# KiCad board KeyBoard.kicad_pcb (continued)
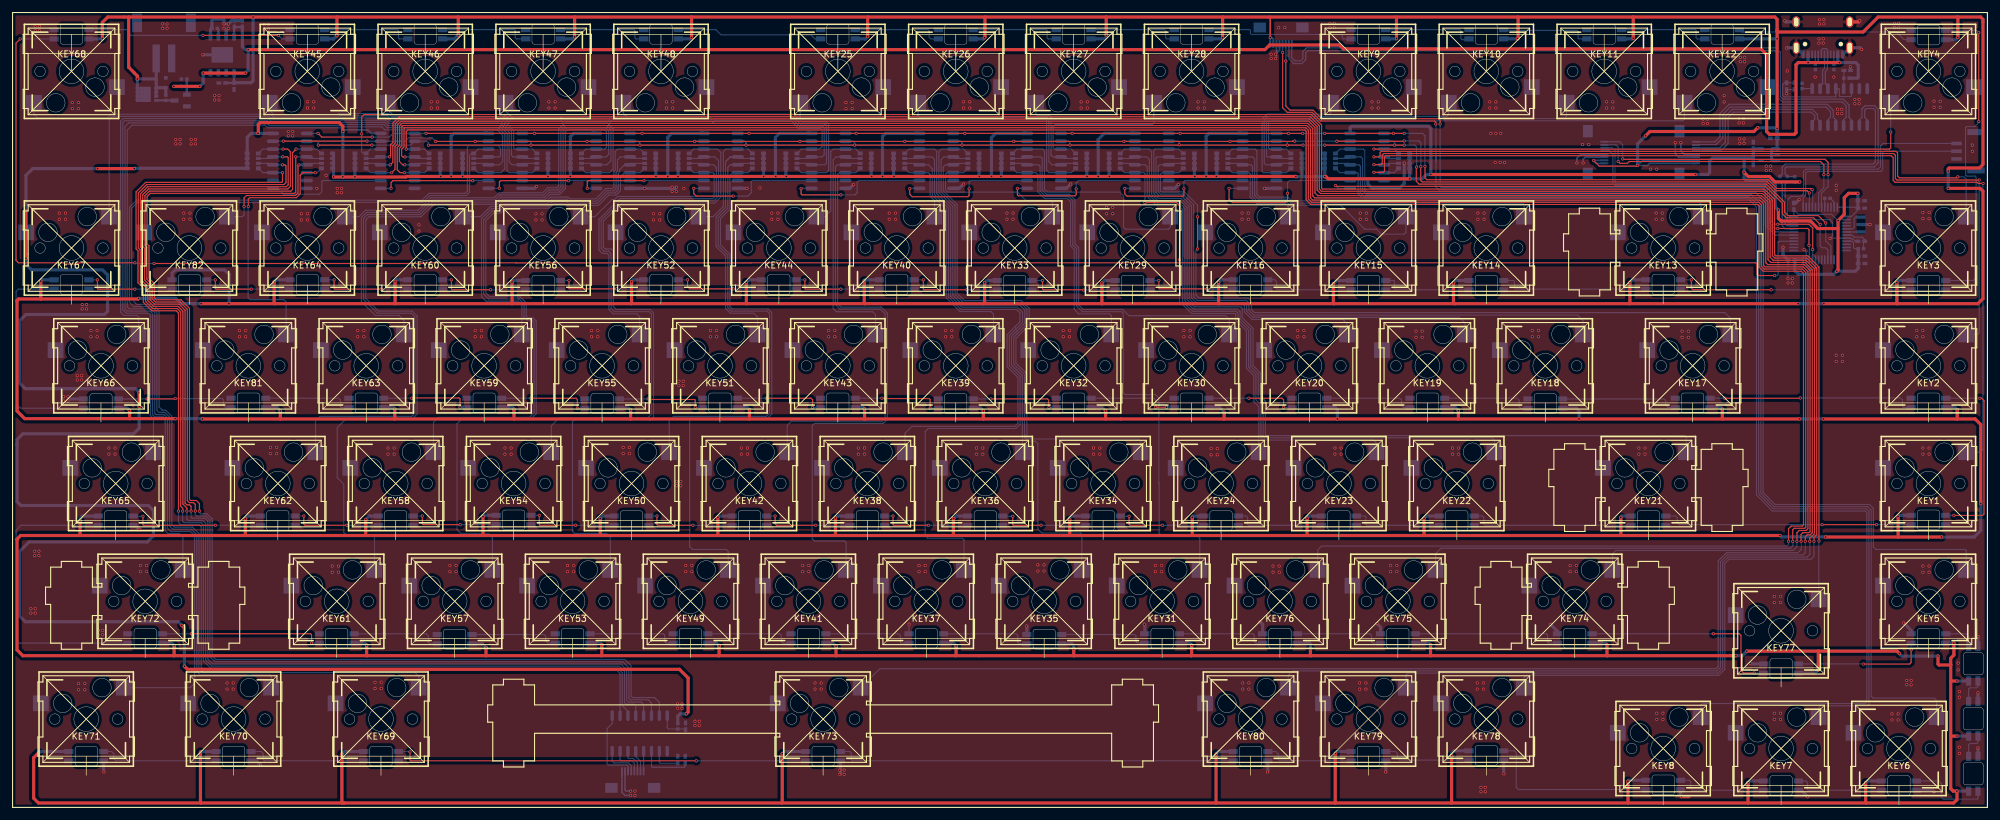
[diagram p0: board, top side]
## Routing (per net, layer and track width the routed paths; a pad name or vN(x,y) marks a point on that pad's centre or on a via; arc(x,y) is an arc through that point) (continued)
Net-(LED20-DOUT): length 14.9
  Top w0.178: v1(166.44,85.28) 166.44,83.93 166.59,83.78 173.09,83.78 173.12,83.75 v1(173.12,83.73)
  Bottom w0.178: v1(173.12,83.73) 173.17,83.78 LED20.2 ; v1(166.44,85.28) LED21.4
Net-(LED21-DOUT): length 15
  Top w0.178: v1(154.21,83.78) 147.29,83.78 147.19,83.88 v1(147.19,85.38)
  Bottom w0.178: LED21.2 v1(154.21,83.78) ; v1(147.19,85.38) 145.72,85.38 LED22.4
Net-(LED22-DOUT): length 14.9
  Top w0.178: v1(128.04,85.38) 128.04,83.98 128.14,83.88 v1(133.86,83.88)
  Bottom w0.178: LED22.2 133.87,83.89 v1(133.86,83.88) ; LED23.4 126.66,85.38 v1(128.04,85.38)
Net-(LED23-DOUT): length 14.7
  Top w0.178: v1(109.09,85.38) 109.09,84.28 109.44,83.93 v1(116.46,83.93)
  Bottom w0.178: LED24.4 109.07,85.39 v1(109.09,85.38) ; v1(116.46,83.93) 116.49,83.9 116.49,83.89 LED23.2
Net-(LED25-DOUT): length 15
  Top w0.178: v1(70.94,85.38) 70.94,83.88 71.04,83.78 v1(77.27,83.78)
  Bottom w0.178: LED26.4 70.92,85.39 v1(70.94,85.38) ; LED25.2 v1(77.27,83.78)
Net-(LED26-DOUT): length 14.9
  Top w0.178: v1(59.57,83.88) 52.14,83.88 51.99,84.03 v1(51.99,85.38)
  Bottom w0.178: v1(59.57,83.88) 59.59,83.89 LED26.2 ; LED27.4 50.47,85.38 v1(51.99,85.38)
Net-(LED27-DOUT): length 14.9
  Top w0.178: v1(32.79,85.38) 32.79,83.98 32.89,83.88 v1(38.61,83.88)
  Bottom w0.178: v1(38.61,83.88) 38.62,83.89 LED27.2 ; LED28.4 31.42,85.38 v1(32.79,85.38)
Net-(LED28-DOUT): length 14.9
  Top w0.178: v1(13.74,85.38) 13.74,83.98 13.84,83.88 v1(19.78,83.88)
  Bottom w0.178: LED29.4 13.72,85.39 v1(13.74,85.38) ; v1(19.78,83.88) 19.8,83.89 LED28.2
Net-(LED29-DOUT): length 35.7
  Bottom w0.178: LED29.2 1,83.89 0.59,83.48 0.59,65.38 1.35,64.61 LED30.4
Net-(LED30-DOUT): length 19.4
  Top w0.178: v1(26.32,66.18) 26.27,66.13 v1(21.77,66.13)
  Bottom w0.178: v1(21.77,66.13) 21.76,66.11 LED30.2 ; LED31.4 34.44,64.73 34.09,65.08 34.09,66.03 33.94,66.18 v1(26.32,66.18)
Net-(LED31-DOUT): length 14.7
  Bottom w0.178: LED32.4 53.14,64.73 52.99,64.88 52.99,65.98 52.74,66.23 LED31.2
Net-(LED32-DOUT): length 14.9
  Top w0.178: v1(64.52,66.23) 64.94,66.23 64.99,66.28 72.19,66.28 72.34,66.13 v1(72.34,64.78)
  Bottom w0.178: LED33.4 73.38,64.78 v1(72.34,64.78) ; LED32.2 v1(64.52,66.23)
Net-(LED33-DOUT): length 14.9
  Top w0.178: v1(91.29,64.63) 91.29,66.03 91.09,66.23 v1(83.77,66.23)
  Bottom w0.178: LED34.4 92.46,64.63 v1(91.29,64.63) ; LED33.2 v1(83.77,66.23)
Net-(LED34-DOUT): length 14.7
  Top w0.178: v1(110.34,64.73) 110.34,65.93 110.24,66.03 102.82,66.03 v1(102.72,66.13)
  Bottom w0.178: LED35.4 v1(110.34,64.73) ; v1(102.72,66.13) 102.71,66.11 LED34.2
Net-(LED35-DOUT): length 14.8
  Top w0.178: v1(121.82,66.23) 129.04,66.23 129.29,65.98 v1(129.29,64.73)
  Bottom w0.178: LED35.2 v1(121.82,66.23) ; v1(129.29,64.73) LED36.4
Net-(LED37-DOUT): length 14.7
  Top w0.178: v1(158.09,66.11) 158.1,66.13 167.24,66.13 167.44,65.93 167.44,64.78 v1(167.49,64.73)
  Bottom w0.178: v1(167.49,64.73) LED38.4 ; v1(158.09,66.11) LED37.2
Net-(LED38-DOUT): length 14.8
  Top w0.178: v1(184.72,64.78) v1(186.49,64.78)
  Bottom w0.178: v1(184.72,64.78) 184.72,65.94 184.44,66.23 LED38.2 ; v1(186.49,64.78) 187.68,64.78 LED39.4
Net-(LED39-DOUT): length 15.1
  Top w0.178: v1(199.79,66.23) 205.14,66.23 205.39,65.98 v1(205.39,64.73)
  Bottom w0.178: 192.99,66.23 v1(199.79,66.23) ; v1(205.39,64.73) LED40.4
Net-(LED40-DOUT): length 14.6
  Bottom w0.178: LED41.4 224.79,64.73 224.44,65.08 224.44,65.98 224.19,66.23 LED40.2
Net-(LED41-DOUT): length 14.7
  Bottom w0.178: LED41.2 243.14,66.23 243.44,65.93 243.44,64.88 243.7,64.61 LED42.4
Net-(LED42-DOUT): length 19.2
  Bottom w0.178: LED42.2 266.85,66.11 267.14,65.83 267.14,65.13 267.54,64.73 LED43.4
Net-(LED43-DOUT): length 33.8
  Top w0.178: v1(288.88,66.28) 288.83,66.23 v1(276.69,66.23)
  Bottom w0.178: v1(288.88,66.28) 305.09,66.28 305.39,65.98 305.39,64.93 305.59,64.73 LED44.4 ; v1(276.69,66.23) LED43.2
Net-(LED44-DOUT): length 31
  Top w0.178: v1(313.69,47.28) 318.34,47.28 318.56,47.5 318.56,65.85 318.19,66.23 v1(317.88,66.23)
  Bottom w0.178: LED44.2 v1(317.88,66.23) ; v1(313.69,47.28) 312.4,47.28 LED45.4
Net-(LED45-DOUT): length 40.7
  Top w0.178: v1(301.21,45.78) v1(292.41,45.78)
  Bottom w0.178: v1(292.41,45.78) 269.34,45.78 268.99,46.13 268.99,46.93 268.74,47.18 LED46.4 ; LED45.2 301.22,45.79 v1(301.21,45.78)
Net-(LED46-DOUT): length 26.6
  Bottom w0.178: LED46.2 237.94,45.68 237.74,45.88 237.74,46.98 237.54,47.18 LED47.4
Net-(LED47-DOUT): length 14.7
  Bottom w0.178: LED47.2 218.89,45.68 218.69,45.88 218.69,47.03 218.54,47.18 LED48.4
Net-(LED49-DOUT): length 14.8
  Top w0.178: v1(180.44,47.13) 180.44,45.83 180.59,45.68 v1(185.81,45.68)
  Bottom w0.178: LED50.4 179.09,47.13 v1(180.44,47.13) ; LED49.2 v1(185.81,45.68)
Net-(LED50-DOUT): length 14.9
  Top w0.178: v1(166.21,45.68) 161.74,45.68 161.64,45.78 v1(161.64,47.13)
  Bottom w0.178: LED51.4 160.04,47.13 v1(161.64,47.13) ; LED50.2 v1(166.21,45.68)
Net-(LED51-DOUT): length 14.9
  Top w0.178: v1(148.01,45.68) 142.39,45.68 142.29,45.78 v1(142.29,47.18)
  Bottom w0.178: LED51.2 v1(148.01,45.68) ; LED52.4 v1(142.29,47.18)
Net-(LED52-DOUT): length 14.8
  Top w0.178: v1(129.79,45.68) 123.49,45.68 123.24,45.93 v1(123.24,47.18)
  Bottom w0.178: LED52.2 v1(129.79,45.68) ; LED53.4 v1(123.24,47.18)
Net-(LED53-DOUT): length 14.9
  Top w0.178: v1(109.96,45.68) 104.29,45.68 104.14,45.83 v1(104.14,47.18)
  Bottom w0.178: LED54.4 v1(104.14,47.18) ; LED53.2 v1(109.96,45.68)
Net-(LED54-DOUT): length 15
  Top w0.178: v1(85.14,47.28) 85.14,45.78 85.24,45.68 v1(91.01,45.68)
  Bottom w0.178: LED54.2 v1(91.01,45.68) ; LED55.4 85.12,47.29 v1(85.14,47.28)
Net-(LED55-DOUT): length 14.8
  Top w0.178: v1(66.24,47.18) 66.24,45.93 66.39,45.78 v1(72.36,45.78)
  Bottom w0.178: LED56.4 v1(66.24,47.18) ; LED55.2 72.37,45.79 v1(72.36,45.78)
Net-(LED56-DOUT): length 14.8
  Top w0.178: v1(54.06,45.68) 47.29,45.68 47.09,45.88 v1(47.09,47.18)
  Bottom w0.178: LED56.2 v1(54.06,45.68) ; LED57.4 v1(47.09,47.18)
Net-(LED57-DOUT): length 22
  Top w0.178: v1(32.8,45.68) 21.19,45.68 21.09,45.78 v1(21.09,47.13)
  Bottom w0.178: LED57.2 39.75,45.68 v1(32.8,45.68) ; LED58.4 19.54,47.13 v1(21.09,47.13)
Net-(LED58-DOUT): length 49.7
  Bottom w0.178: LED58.2 1.39,45.68 0.59,44.88 0.59,27.13 1.14,26.58 1.29,26.58 1.34,26.63 LED59.4
Net-(LED59-DOUT): length 26.8
  Top w0.178: v1(28.92,28.13) 48.19,28.13 48.34,27.98 v1(48.34,26.63)
  Bottom w0.178: LED60.4 v1(48.34,26.63) ; LED59.2 28.92,28.13 v1(28.92,28.13)
Net-(LED61-DOUT): length 14.5
  Bottom w0.178: LED61.2 85.9,28.01 86.19,27.73 86.19,26.98 86.54,26.63 LED62.4
Net-(LED62-DOUT): length 14.7
  Bottom w0.178: LED62.2 105.19,28.13 105.39,27.93 105.39,26.88 105.64,26.63 LED63.4
Net-(LED63-DOUT): length 14.6
  Bottom w0.178: LED64.4 124.54,26.63 124.24,26.93 124.24,27.88 123.99,28.13 LED63.2
Net-(LED64-DOUT): length 14.7
  Bottom w0.178: LED65.4 143.59,26.63 143.49,26.73 143.49,27.83 143.19,28.13 LED64.2
Net-(LED65-DOUT): length 14.8
  Bottom w0.178: LED65.2 162.19,28.13 162.44,27.88 162.44,26.73 162.65,26.51 LED66.4
Net-(LED66-DOUT): length 14.6
  Bottom w0.178: LED67.4 181.79,26.63 181.54,26.88 181.54,27.78 181.3,28.01 LED66.2
Net-(LED67-DOUT): length 14.7
  Bottom w0.178: LED68.4 200.94,26.63 200.64,26.93 200.64,27.93 200.44,28.13 LED67.2
Net-(LED68-DOUT): length 14.7
  Bottom w0.178: LED69.4 219.79,26.63 219.59,26.83 219.59,27.88 219.34,28.13 LED68.2
Net-(LED69-DOUT): length 24.3
  Bottom w0.178: LED69.2 247.89,28.13 248.04,27.98 248.04,26.83 248.24,26.63 LED70.4
Net-(LED70-DOUT): length 33.7
  Top w0.178: v1(274.84,28.13) 279.04,28.13 279.29,27.88 279.29,22.23 279.74,21.78 v1(281.44,21.78)
  Bottom w0.178: LED71.4 282.95,21.78 v1(281.44,21.78) ; LED70.2 v1(274.84,28.13)
Net-(LED71-DOUT): length 21.5
  Top w0.178: v1(306.79,25.53) 306.79,23.48 306.54,23.23 v1(299.11,23.23)
  Bottom w0.178: LED72.4 306.79,26.62 v1(306.79,25.53) ; v1(299.11,23.23) 299.08,23.25 LED71.2
Net-(LED72-DOUT): length 5.5
  Bottom w0.178: LED72.2 315.64,28.13 316.09,27.68 LED83.4
Net-(LED73-DOUT): length 14.7
  Bottom w0.178: LED73.2 290.15,2.81 290.04,2.93 290.04,4.08 289.8,4.31 LED74.4
Net-(LED74-DOUT): length 14.8
  Bottom w0.178: LED74.2 271.45,2.81 271.19,3.08 271.19,4.18 270.94,4.43 LED75.4
Net-(LED75-DOUT): length 28.8
  Bottom w0.178: LED76.4 242.67,9.19 242.99,8.88 242.99,3.28 243.34,2.93 LED75.2
Net-(LED76-DOUT): length 14.5
  Bottom w0.178: LED76.2 224.12,7.69 223.79,8.03 223.79,8.78 223.49,9.08 LED77.4
Net-(LED77-DOUT): length 14.6
  Bottom w0.178: LED77.2 204.79,7.58 204.54,7.83 204.54,8.68 204.14,9.08 LED78.4
Net-(LED78-DOUT): length 64.7
  Bottom w0.178: LED78.2 135.74,7.58 135.54,7.78 135.54,8.83 135.29,9.08 LED79.4
Net-(LED79-DOUT): length 67.2
  Top w0.178: v1(64.24,9.03) 64.24,7.73 64.39,7.58 v1(110.49,7.58)
  Bottom w0.178: LED79.2 v1(110.49,7.58) ; v1(64.24,9.03) 64.19,9.08 LED80.4
Net-(LED80-DOUT): length 19.4
  Bottom w0.178: LED81.4 40.19,9.08 40.54,8.73 40.54,7.78 40.74,7.58 LED80.2
Net-(LED81-DOUT): length 19.3
  Bottom w0.178: LED82.4 16.04,9.08 16.39,8.73 16.39,7.93 16.74,7.58 LED81.2
Net-(LED83-DOUT): length 4.6
  Bottom w0.178: LED84.4 316.09,19.18 316.29,19.38 317.39,19.38 317.59,19.58 LED83.2
Net-(LED84-DOUT): length 4.6
  Bottom w0.178: LED85.4 316.09,10.18 316.29,10.38 317.39,10.38 317.59,10.58 LED84.2
Net-(Q1-G): length 5.9
  Bottom w0.178: Q2.3 24.81,114.39 R36.2 Q1.4
  Bottom w0.381: Q2.3 26.18,114.41 Q1.4
Net-(Q2-B): length 5
  Bottom w0.178: R35.1 R34.2 28.19,115.35
  Bottom w0.381: R35.1 28.19,115.35 Q2.1
Net-(U1-D0): length 197.7
  Bottom w0.178: 272.82,14.64 272.82,16.61 273.04,16.83 299.34,16.83 299.62,17.11 299.62,47.74 299.39,47.98 284.38,47.98 281.8,50.56 281.8,97.16 280.45,98.51 218.25,98.51 217.44,99.32 217.44,102.53 217.24,102.72 U1.11 214.49,102.72 R2.4
Net-(U1-D1): length 180.4
  Bottom w0.178: 291.87,14.64 291.87,16.21 292.14,16.48 299.74,16.48 299.98,16.71 299.98,47.94 299.58,48.33 284.53,48.33 282.16,50.7 282.16,97.31 280.6,98.87 218.4,98.87 217.79,99.47 217.79,103.77 217.57,103.99 216.15,103.99 215.92,104.23 R2.3
Net-(U1-D2): length 184.4
  Bottom w0.178: R2.2 215.92,105.03 U1.13 217.9,105.26 218.15,105.01 218.15,99.81 218.74,99.22 280.94,99.22 282.51,97.65 282.51,50.85 284.67,48.69 299.78,48.69 300.33,48.13 300.33,18.03 300.64,17.73 310.54,17.73 310.92,17.34 310.92,14.64
Net-(U1-D3): length 167.3
  Bottom w0.178: R2.1 214.49,106.53 U1.14 218.28,106.53 218.51,106.31 218.51,99.96 218.89,99.58 281.59,99.58 282.87,98.3 282.87,51 284.82,49.04 300.07,49.04 300.69,48.43 300.69,42.18 301.09,41.78 315.54,41.78 315.68,41.63 315.68,38.46
Net-(U1-D4): length 95.2
  Top w0.178: v1(303.49,109.28) 303.49,106.73 303.29,106.53 v1(219.99,106.53)
  Bottom w0.178: v1(219.99,106.53) 219.99,106.53 U1.3 223.26,106.53 R1.4 ; 303.49,114.02 303.49,109.28 v1(303.49,109.28)
Net-(U1-D5): length 110.7
  Top w0.178: v1(314.34,102.04) 314.18,101.88 304.88,101.88 304.6,102.16 304.6,105.91 304.34,106.17 221.18,106.17 220.99,105.98 220.99,105.43 220.84,105.28 v1(219.99,105.28)
  Bottom w0.178: 315.68,95.61 315.68,101.68 315.32,102.04 v1(314.34,102.04) ; v1(219.99,105.28) 220,105.26 U1.4 221.86,105.03 R1.3
Net-(U1-D6): length 134.4
  Top w0.178: v1(219.99,104.03) 221.19,104.03 221.34,104.18 221.34,105.58 221.58,105.81 303.95,105.81 304.24,105.52 304.24,101.77 304.49,101.53 v1(317.81,101.53)
  Bottom w0.178: v1(219.99,104.03) 220.02,103.99 221.62,103.99 221.86,104.23 R1.2 ; v1(317.81,101.53) 317.79,101.51 317.79,76.83 317.52,76.56 315.68,76.56
Net-(U1-D7): length 155.1
  Top w0.178: v1(219.99,102.78) 221.49,102.78 221.7,102.99 221.7,105.24 221.92,105.46 303.61,105.46 303.89,105.18 303.89,101.48 304.19,101.17 317.43,101.17 317.62,100.98 v1(318.4,100.98)
  Bottom w0.178: R1.1 223.26,102.72 U1.6 220.04,102.72 v1(219.99,102.78) ; 315.68,57.51 317.97,57.51 318.4,57.94 v1(318.4,100.98)
Net-(U1-DS): length 26.9
  Top w0.178: v1(206.04,99.38) 206.04,98.23 205.69,97.88 197.14,97.88 196.59,98.43 v1(196.59,100.18)
  Bottom w0.178: v1(206.04,99.38) 206.04,101.13 206.36,101.45 U1.10 ; v1(196.59,100.18) 196.59,100.18 U2.9
Net-(U2-D0): length 16.1
  Bottom w0.178: R4.4 197.1,102.72 U2.11 199.79,102.72 200.01,102.5 200.01,98.74 201.05,97.71 205.66,97.71 206.15,97.22 206.15,95.61
Net-(U2-D1): length 39
  Bottom w0.178: KEY15.1 225.17,93.05 224.89,92.78 221.19,92.78 220.39,93.58 218.49,93.58 214.62,97.45 206.42,97.45 205.8,98.06 201.19,98.06 200.37,98.89 200.37,103.75 200.12,103.99 198.76,103.99 198.53,104.23 R4.3
Net-(U2-D2): length 56.6
  Bottom w0.178: R4.2 198.53,105.03 U2.13 200.4,105.26 200.72,104.94 200.72,99.04 201.34,98.42 205.95,98.42 206.57,97.8 244.01,97.8 244.25,97.57 244.25,95.61
Net-(U2-D3): length 86.6
  Bottom w0.178: R4.1 197.1,106.53 U2.14 200.78,106.53 201.08,106.24 201.08,99.19 201.49,98.78 206.1,98.78 206.72,98.16 272.36,98.16 272.82,97.69 272.82,95.61
Net-(U2-D4): length 78.2
  Bottom w0.178: R3.4 205.87,106.53 U2.3 203.13,106.53 202.98,106.69 202.98,110.92 203.17,111.11 269.92,111.11 270.15,111.34 270.15,114.02
Net-(U2-D5): length 60.8
  Bottom w0.178: 251.1,114.02 251.1,111.79 250.78,111.46 203.02,111.46 202.62,111.06 202.62,105.39 202.75,105.26 U2.4 204.47,105.03 R3.3
Net-(U2-D6): length 43.6
  Bottom w0.178: R3.2 204.47,104.23 204.23,103.99 202.52,103.99 202.27,104.25 202.27,111.21 202.88,111.82 231.78,111.82 232.05,112.09 232.05,114.02
Net-(U2-D7): length 26.6
  Bottom w0.178: R3.1 205.87,102.72 U2.6 202.14,102.72 201.91,102.95 201.91,111.36 202.73,112.18 212.79,112.18 213,112.39 213,114.02
Net-(U2-DS): length 24
  Top w0.178: v1(189.29,100.13) 189.29,99.08 189.14,98.93 180.09,98.93 179.74,99.28 v1(179.74,100.18)
  Bottom w0.178: U2.10 189.51,101.45 189.29,101.23 v1(189.29,100.13) ; U3.9 180.04,100.18 180.04,100.18 v1(179.74,100.18)
Net-(U3-D0): length 64.1
  Top w0.178: v1(182.99,97.88) 188.09,97.88 188.59,97.38 188.59,88.67 v1(188.57,88.65)
  Bottom w0.178: R6.4 179.71,102.72 U3.11 182.85,102.72 183,102.58 183,97.89 v1(182.99,97.88) ; 201.38,57.51 201.38,64.88 200.58,65.69 200.58,69.89 199.39,71.08 199.39,77.11 197.66,78.84 197.66,79.81 197.53,79.94 190.53,79.94 188.57,81.89 v1(188.57,88.65)
Net-(U3-D1): length 82.8
  Bottom w0.178: 220.43,57.51 220.43,58.93 219.9,59.46 202.1,59.46 201.74,59.82 201.74,65.18 200.93,65.98 200.93,70.03 199.74,71.22 199.74,77.25 198.01,78.99 198.01,80 197.72,80.29 190.67,80.29 189.09,81.88 189.09,96.78 188.39,97.48 184.77,97.48 183.36,98.89 183.36,103.66 183.02,103.99 181.37,103.99 181.13,104.23 R6.3
Net-(U3-D2): length 103.3
  Bottom w0.178: 239.48,57.51 239.48,59.43 239.09,59.82 202.24,59.82 202.1,59.97 202.1,65.48 202.09,65.48 201.29,66.28 201.29,70.18 200.1,71.37 200.1,77.4 198.37,79.13 198.37,80.2 197.92,80.65 190.82,80.65 189.44,82.02 189.44,96.92 188.53,97.84 184.92,97.84 183.71,99.04 183.71,104.85 183.3,105.26 U3.13 181.13,105.03 R6.2
Net-(U3-D3): length 136.1
  Bottom w0.178: R6.1 179.71,106.53 U3.14 183.66,106.53 184.07,106.13 184.07,99.19 185.06,98.19 188.68,98.19 189.8,97.07 189.8,82.17 190.97,81 198.51,81 198.72,80.79 198.72,79.28 200.46,77.55 200.46,71.52 201.64,70.33 201.64,66.58 202.45,65.77 202.45,60.31 202.59,60.18 270.19,60.18 270.44,59.92 270.44,57.51
Net-(U3-D4): length 64.4
  Bottom w0.178: R5.4 188.48,106.53 U3.3 184.64,106.53 184.42,106.31 184.42,99.33 185.21,98.55 188.83,98.55 190.16,97.22 190.16,82.32 191.11,81.36 198.91,81.36 199.08,81.19 199.08,80.18 200.29,78.96 214.99,78.96 215.64,78.31 KEY20.1 ; 215.67,76.56 215.67,77.79
Net-(U3-D5): length 80.1
  Bottom w0.178: R5.3 187.07,105.03 U3.4 184.92,105.26 184.78,105.11 184.78,99.48 185.36,98.9 188.97,98.9 190.51,97.37 190.51,82.47 191.26,81.71 199.15,81.71 199.43,81.43 199.43,80.33 200.44,79.32 233.79,79.32 234.72,78.39 234.72,76.56
Net-(U3-D6): length 97.3
  Bottom w0.178: 253.77,76.56 253.77,78.84 252.94,79.68 200.59,79.68 199.79,80.47 199.79,81.68 199.39,82.07 191.41,82.07 190.87,82.61 190.87,97.51 189.12,99.26 185.5,99.26 185.13,99.63 185.13,103.72 185.4,103.99 186.84,103.99 187.08,104.23 R5.2
Net-(U3-D7): length 119.7
  Top w0.178: v1(191.49,95.58) v1(191.49,90.38)
  Bottom w0.178: R5.1 188.48,102.72 U3.6 185.73,102.72 185.49,102.48 185.49,99.78 185.65,99.61 189.35,99.61 191.49,97.48 v1(191.49,95.58) ; v1(191.49,90.38) 191.22,90.11 191.22,82.94 191.74,82.43 199.64,82.43 200.19,81.88 200.19,80.58 200.69,80.08 276.69,80.08 277.58,79.18 277.58,76.56
Net-(U3-DS): length 23.8
  Top w0.178: v1(171.89,100.09) 171.89,99.18 171.69,98.98 162.54,98.98 162.39,99.13 v1(162.39,100.18)
  Bottom w0.178: v1(162.39,100.18) 163.95,100.18 U4.9 ; U3.10 172.26,101.45 171.89,101.08 v1(171.89,100.09)
Net-(U4-D0): length 40.4
  Bottom w0.178: R8.4 162.3,102.72 U4.11 165.34,102.72 165.69,102.38 165.69,99.62 166.8,98.51 170.49,98.51 170.98,98.02 170.98,90.88 171.58,90.28 171.58,80.59 172.29,79.88 177.29,79.88 177.57,79.59 177.57,76.56
Net-(U4-D1): length 92.8
  Bottom w0.178: R8.3 163.72,104.23 163.96,103.99 165.82,103.99 166.04,103.77 166.04,99.76 166.94,98.86 170.64,98.86 171.33,98.17 171.33,91.03 171.93,90.43 171.93,81.18 172.88,80.23 179.23,80.23 179.49,79.98 179.49,67.13 179.79,66.83 184.69,66.83 185.24,66.28 185.24,52.48 185.29,52.43 185.29,44.38 185.59,44.08 191.34,44.08 191.86,43.56 191.86,38.46
Net-(U4-D2): length 61.1
  Bottom w0.178: 196.62,76.56 196.62,79 196.04,79.58 180.39,79.58 179.38,80.59 173.03,80.59 172.29,81.33 172.29,90.58 171.69,91.18 171.69,98.31 170.78,99.22 167.09,99.22 166.4,99.91 166.4,105.08 166.21,105.26 U4.13 163.72,105.03 R8.2
Net-(U4-D3): length 39.6
  Bottom w0.178: R8.1 162.3,106.53 U4.14 166.43,106.53 166.76,106.21 166.76,100.06 167.24,99.58 178.89,99.58 179.54,98.93 179.54,93.88 179.84,93.58 186.79,93.58 187.1,93.88 187.1,95.61
Net-(U4-D4): length 27.2
  Bottom w0.178: 184.43,114.02 184.43,110.77 184.14,110.48 168.44,110.48 168.18,110.21 168.18,106.74 168.38,106.53 U4.3 171.09,106.53 R7.4
Net-(U4-D5): length 14.7
  Bottom w0.178: 165.38,114.02 165.38,112.24 165.59,112.03 167.44,112.03 167.82,111.64 167.82,105.59 168.15,105.26 U4.4 169.66,105.03 R7.3
Net-(U4-D6): length 35
  Bottom w0.178: 146.33,114.02 146.33,111.98 146.64,111.67 167.24,111.67 167.47,111.45 167.47,104.5 167.97,103.99 169.43,103.99 169.67,104.23 R7.2
Net-(U4-D7): length 55.6
  Bottom w0.178: 127.28,114.02 127.28,111.64 127.6,111.31 166.9,111.31 167.11,111.1 167.11,103.1 167.49,102.72 U4.6 171.09,102.72 R7.1
Net-(U5-D0): length 11.6
  Bottom w0.178: R10.4 144.89,102.72 U5.11 147.99,102.72 148.28,102.44 148.28,98.91 149,98.2 149,95.61
Net-(U5-D1): length 38.7
  Bottom w0.178: R10.3 146.31,104.23 146.55,103.99 148.02,103.99 148.63,103.38 148.63,99.06 150.89,96.81 150.89,82.46 153.1,80.25 158.12,80.25 158.52,79.84 158.52,76.56
Net-(U5-D2): length 82.3
  Bottom w0.178: R10.2 146.31,105.03 U5.13 148.6,105.26 148.99,104.88 148.99,99.21 151.24,96.95 151.24,82.61 153.25,80.6 162.22,80.6 162.79,80.04 162.79,78.58 162.01,77.8 162,77.8 160.72,76.52 160.72,71.34 162.47,69.59 162.47,62.16 161.99,61.68 145.49,61.68 145.49,61.68 145.34,61.68 144.23,60.57 144.23,57.51
Net-(U5-D3): length 106.5
  Bottom w0.178: R10.1 144.89,106.53 U5.14 148.98,106.53 149.34,106.17 149.34,99.36 151.6,97.1 151.6,82.76 153.4,80.96 162.37,80.96 163.22,80.11 163.22,78.51 162.16,77.44 162.15,77.44 161.08,76.37 161.08,71.48 162.83,69.74 162.83,62.01 162.14,61.33 147.99,61.33 147.49,60.83 147.49,43.98 147.89,43.58 153.49,43.58 153.76,43.31 153.76,38.46
Net-(U5-D4): length 66.6
  Bottom w0.178: KEY36.1 163.18,57.58 163.18,69.88 161.43,71.63 161.43,76.23 162.29,77.09 162.31,77.09 163.58,78.36 163.58,80.49 162.75,81.31 153.54,81.31 151.96,82.9 151.96,97.25 149.7,99.5 149.7,106.09 150.14,106.53 U5.3 153.68,106.53 R9.4 ; 163.28,57.51 163.21,57.58
Net-(U5-D5): length 93
  Bottom w0.178: 162.44,76.73 162.34,76.63 ; 162.34,76.63 161.79,76.08 161.79,71.78 163.54,70.03 163.54,59.93 164.19,59.28 ; 162.34,76.63 162.39,76.68 162.4,76.68 163.93,78.21 163.93,80.63 162.9,81.67 153.69,81.67 153.33,82.03 ; R9.3 152.25,105.03 U5.4 150.52,105.26 150.06,104.79 150.06,99.65 152.31,97.4 152.31,83.05 153.44,81.92 ; 164.19,59.28 165.29,59.28 165.69,58.88 165.69,45.08 166.34,44.43 172.59,44.43 172.81,44.21 172.81,38.46 ; 164.19,59.28 163.56,59.9
Net-(U5-D6): length 81.1
  Bottom w0.178: R9.2 152.25,104.23 152.02,103.99 150.75,103.99 150.41,103.65 150.41,99.8 152.67,97.54 152.67,83.2 153.84,82.03 163.04,82.03 164.29,80.78 164.29,78.06 162.16,75.93 162.14,75.93 162.14,71.93 163.89,70.18 163.89,66.28 163.92,66.25 163.92,60.05 164.34,59.63 182.03,59.63 182.33,59.33 182.33,57.51
Net-(U5-D7): length 26.9
  Bottom w0.178: R9.1 153.68,102.72 U5.6 151.03,102.72 150.77,102.45 150.77,99.95 151.14,99.58 162.44,99.58 163.86,98.15 167.79,98.15 168.05,97.9 168.05,95.61
Net-(U5-DS): length 23.7
  Top w0.178: v1(133.86,99.13) 127.59,99.13 127.44,99.28 v1(127.44,100.13)
  Bottom w0.178: v1(133.86,99.13) 136.14,99.13 136.49,99.48 136.49,101.18 136.76,101.45 U5.10 ; v1(127.44,100.13) 127.49,100.18 U6.9
Net-(U6-D0): length 49
  Bottom w0.178: R12.4 127.48,102.72 U6.11 131.53,102.72 131.88,103.07 131.88,110.53 131.46,110.96 127.45,110.96 126.24,112.18 112.69,112.18 112.26,111.74 99.32,111.74 98.7,112.36 98.7,114.02
Net-(U6-D1): length 65.9
  Bottom w0.178: R12.3 128.9,104.23 129.14,103.99 131.29,103.99 131.53,104.23 131.53,110.38 131.31,110.6 127.31,110.6 126.09,111.82 112.94,111.82 112.51,111.39 96.99,111.39 96.61,111.77 88.77,111.77 88.38,111.39 80.98,111.39 79.65,112.71 79.65,114.02
Net-(U6-D2): length 82.5
  Bottom w0.178: R12.2 128.9,105.03 U6.13 130.81,105.26 131.17,105.63 131.17,109.94 130.87,110.25 127.16,110.25 125.94,111.46 113.09,111.46 112.66,111.03 96.85,111.03 96.46,111.42 88.92,111.42 88.53,111.03 80.53,111.03 79.43,112.13 61.44,112.13 60.6,112.96 60.6,114.02
Net-(U6-D3): length 99.8
  Bottom w0.178: 41.55,114.02 41.55,112.81 42.26,112.11 52.55,112.11 52.71,112.28 60.79,112.28 61.29,111.77 79.29,111.77 80.38,110.68 88.68,110.68 89.06,111.06 96.32,111.06 96.7,110.68 113.06,110.68 113.49,111.11 125.79,111.11 127.01,109.89 130.52,109.89 130.82,109.6 130.82,106.93 130.42,106.53 U6.14 127.48,106.53 R12.1
Net-(U6-D4): length 17.5
  Bottom w0.178: 129.95,95.61 131.32,95.61 132.24,96.53 132.24,106.13 132.64,106.53 U6.3 136.27,106.53 R11.4
Net-(U6-D5): length 39.1
  Bottom w0.178: 139.47,76.56 139.47,79.74 138.99,80.23 133.14,80.23 132.63,80.74 132.63,104.81 133.07,105.26 U6.4 134.84,105.03 R11.3
Net-(U6-D6): length 72.7
  Bottom w0.178: R11.2 134.84,104.23 134.61,103.99 133.3,103.99 132.98,103.67 132.98,81.38 133.74,80.63 140.24,80.63 141.01,79.85 141.01,62.95 140.59,62.53 125.89,62.53 125.18,61.82 125.18,57.51
Net-(U6-D7): length 91.9
  Bottom w0.178: R11.1 136.27,102.72 U6.6 133.63,102.72 133.34,102.43 133.34,99.83 ; 133.34,99.93 133.34,81.53 133.88,80.98 140.39,80.98 141.37,80 141.37,62.8 140.74,62.17 129.63,62.17 129.24,61.78 129.24,43.48 129.59,43.13 134.44,43.13 134.71,42.86 134.71,38.46
Net-(U6-DS): length 23.8
  Top w0.178: v1(116.46,98.93) 110.49,98.93 110.09,99.33 v1(110.09,100.18)
  Bottom w0.178: U6.10 119.56,101.45 119.39,101.28 119.39,99.48 118.84,98.93 v1(116.46,98.93) ; U7.9 110.09,100.18 v1(110.09,100.18)
Net-(U7-D0): length 30.7
  Bottom w0.178: R14.4 110.07,102.72 U7.11 113.19,102.72 113.39,102.53 113.39,99.23 113.04,98.88 97.8,98.88 97.3,98.38 96.89,98.38 94.12,95.61 91.85,95.61
Net-(U7-D1): length 53.8
  Bottom w0.178: R14.3 111.49,104.23 111.73,103.99 113.3,103.99 113.74,103.55 113.74,99.08 113.19,98.52 98.13,98.52 94.78,95.17 94.78,90.19 95.3,89.66 96.1,89.66 96.39,89.38 96.39,80.58 97.09,79.88 100.89,79.88 101.37,79.39 101.37,76.56
Net-(U7-D2): length 91.1
  Bottom w0.178: 87.08,57.51 87.08,61.77 88.34,63.03 102.64,63.03 103.24,63.63 103.24,79.88 102.88,80.23 97.28,80.23 96.74,80.77 96.74,89.62 96.34,90.02 95.6,90.02 95.13,90.49 95.13,95.02 98.28,98.16 113.33,98.16 114.1,98.93 114.1,104.66 113.5,105.26 U7.13 111.49,105.03 R14.2
Net-(U7-D3): length 115.2
  Bottom w0.178: 96.61,38.46 96.61,43.76 96.04,44.33 90.89,44.33 90.49,44.73 90.49,62.43 90.73,62.67 103.08,62.67 103.59,63.18 103.59,80.02 103.03,80.59 97.58,80.59 97.1,81.06 97.1,90.06 96.79,90.38 95.79,90.38 95.49,90.68 95.49,94.87 98.43,97.81 113.48,97.81 114.46,98.78 114.46,106.01 113.94,106.53 U7.14 110.07,106.53 R14.1
Net-(U7-D4): length 18.7
  Bottom w0.178: 110.9,95.61 113.22,95.61 114.88,97.27 114.88,106.12 115.29,106.53 U7.3 118.86,106.53 R13.4
Net-(U7-D5): length 40.6
  Bottom w0.178: 120.42,76.56 120.42,79.34 119.79,79.98 116.01,79.98 115.23,80.75 115.23,89.23 113.69,90.78 113.69,95.57 115.23,97.12 115.23,104.48 116.02,105.26 U7.4 ; U7.4 115.97,105.26 115.23,104.52 ; U7.4 117.43,105.03 R13.3
Net-(U7-D6): length 73.3
  Bottom w0.178: R13.2 117.43,104.23 117.2,103.99 116,103.99 115.59,103.58 115.59,96.97 114.04,95.43 114.04,90.92 115.59,89.38 115.59,80.89 116.15,80.33 121.93,80.33 122.34,79.93 122.34,63.83 121.8,63.29 106.82,63.29 106.13,62.6 106.13,57.51
Net-(U7-D7): length 93.8
  Bottom w0.178: R13.1 118.86,102.72 U7.6 116.4,102.72 115.95,102.27 115.95,96.82 114.4,95.28 114.4,91.07 115.95,89.53 115.95,81.04 116.3,80.69 122.08,80.69 122.69,80.07 122.69,63.68 121.95,62.93 109.74,62.93 109.44,62.63 109.44,42.23 109.89,41.78 115.34,41.78 115.66,41.46 115.66,38.46
